# Altium PCB 一体机V1.PcbDoc (part 2 of 5)
Units mil, origin at the board's own origin, x right, y up, seen from the top; angles counter-clockwise.
Board outline 4013.53 x 6321.59 mil, 6 copper layers (Top Layer, GND, VCC, Mid-Layer 1, GND (Plane2), Bottom Layer); 349 components, 402 nets, 1592 pads, 708 vias.
Unrouted connection lines stored in the file: 4.
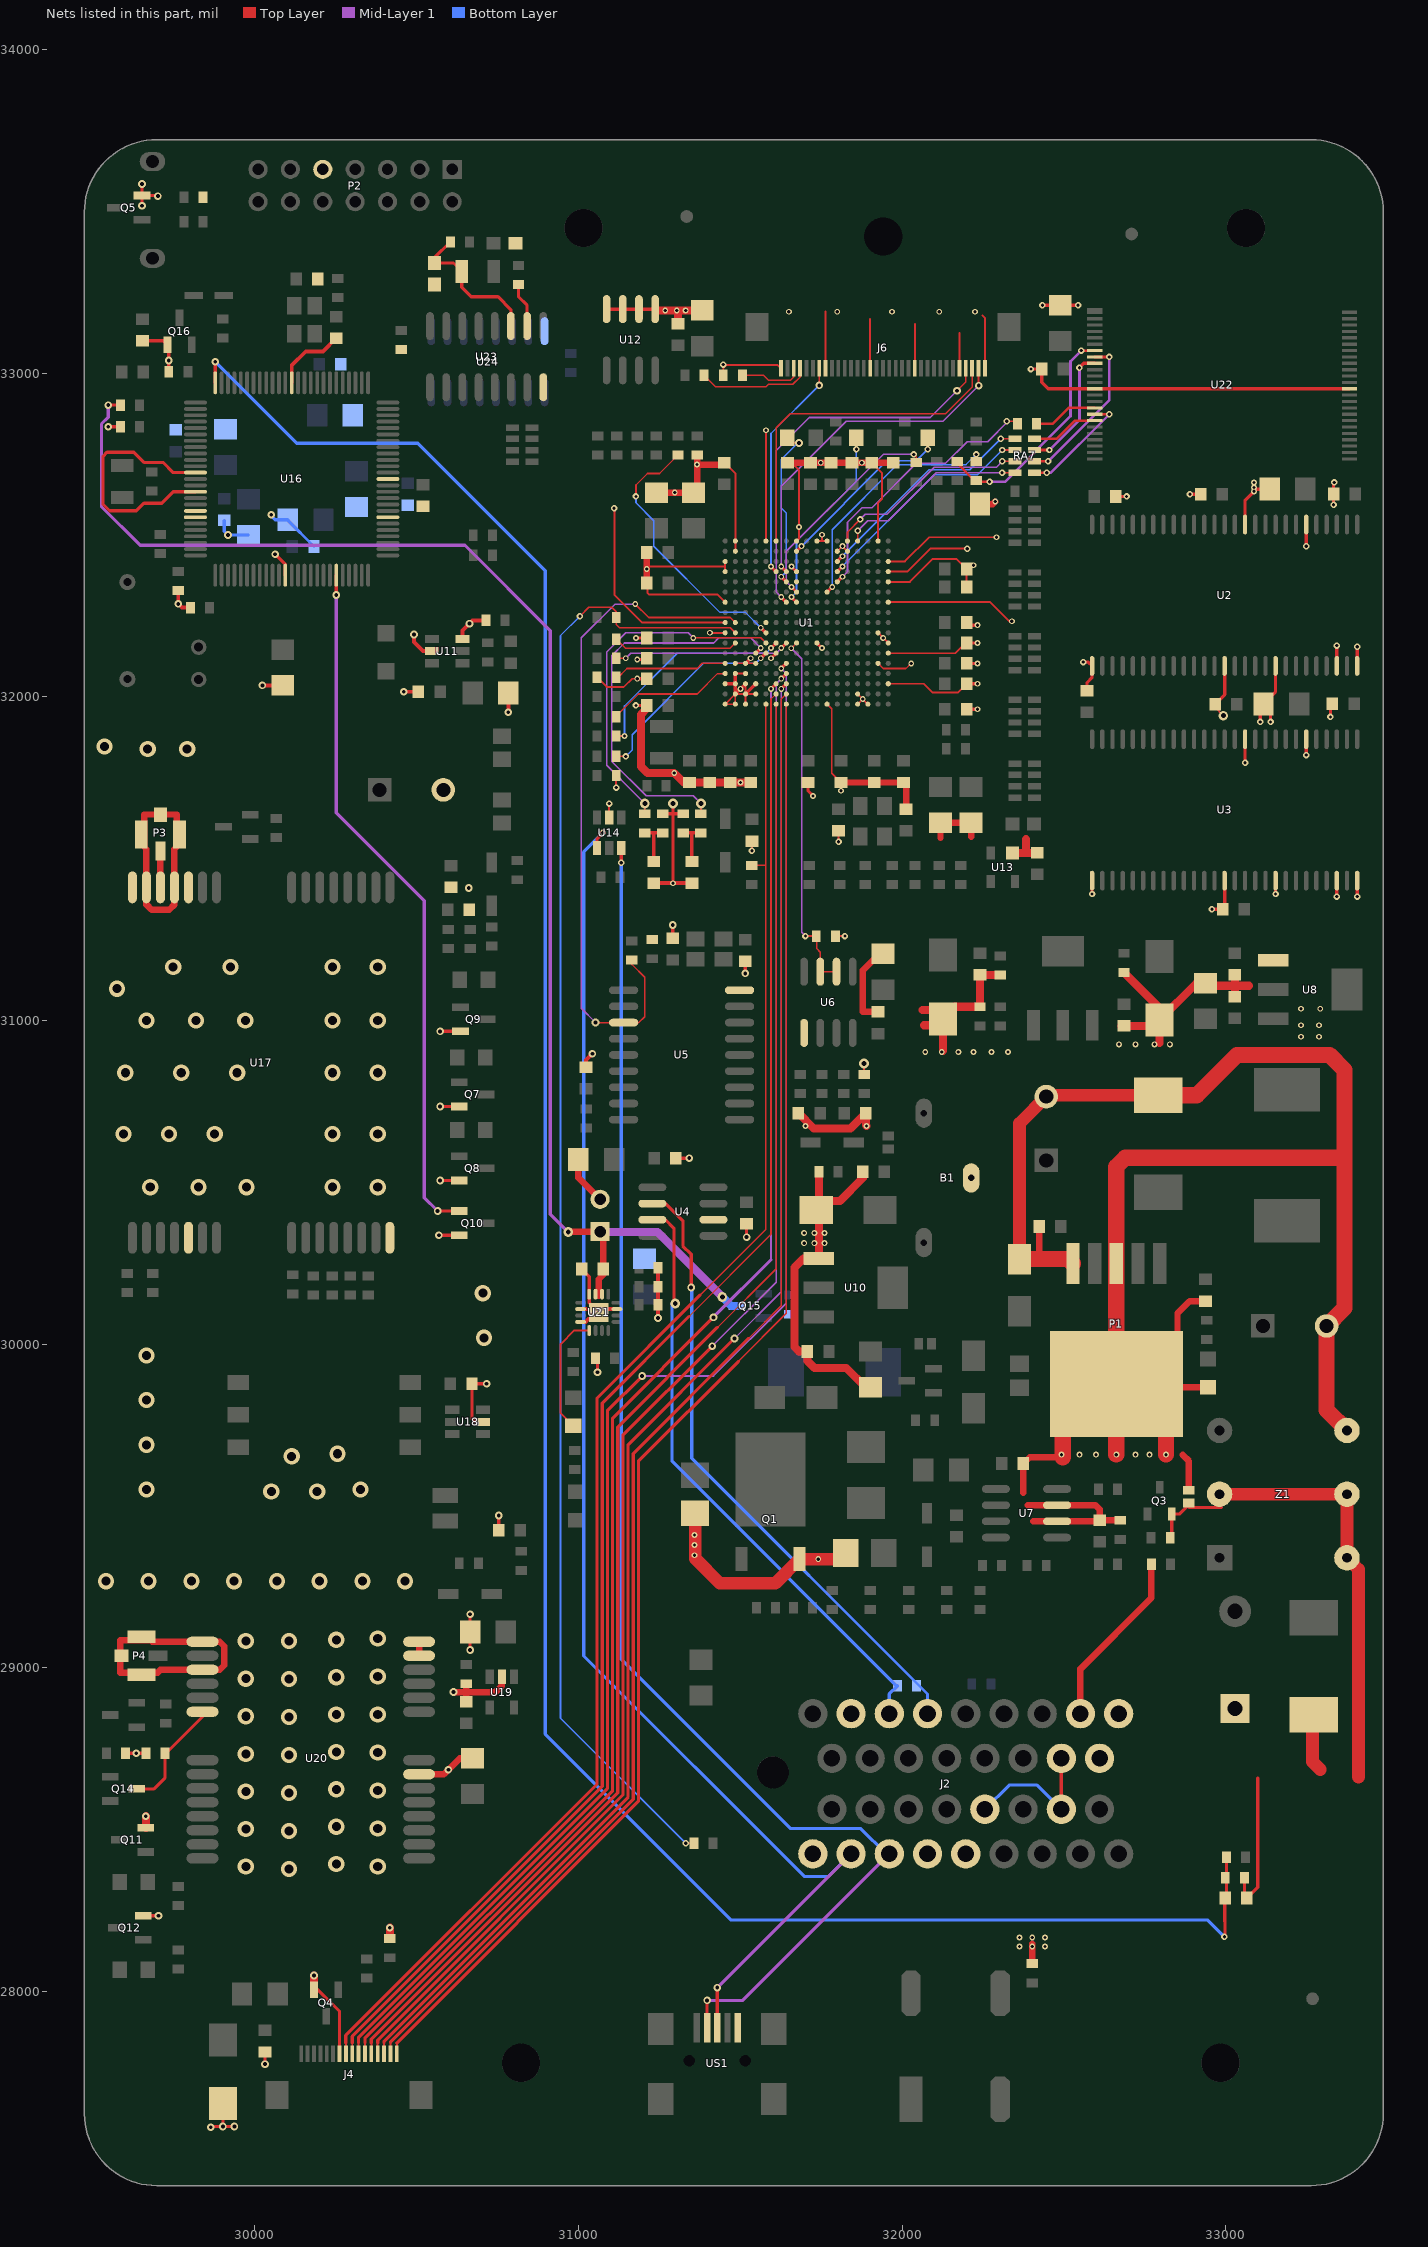
[diagram p6: the nets of this part, all layers, seen from the top]

## Part data
B1: "电池座"
B2 B3 B4 HL1: library part LED, "发光管"
BT1: "插针 Multicell Battery"
C2 C3 C4 C5 C6 C7 C8 C9 C10 C11 C12 C13 C14 C15 C16 C17 C18 C19 C20 C21 C22 C23 C24 C25 C26 C28 C29 C30 C31 C32 C34 C35 C36 C37 C38 C39 C40 C41 C43 C44 C45 C46 C47 C48 C49 C50 C51 C52 C53 C54 C55 C56 C57 C58 C59 C62 C63 C64 C65 C66 C67 C68 C69 C70 C71 C72 C73 C74 C76 C78 C79 C80 C81 C82 C83 C84 C86 C89 C91 C92: library part CAP, "Capacitor"
C60 C61 C87 C90: library part CAP, "多层陶瓷电容器MLCC - SMD/SMT 0603 0.1uF 50volts X7R 10%"
CP1 CP2 CP3 CP4 CP5 CP6 CP7 CP8 CP9 CP10 CP11 CP12 CP13 CP14 CP17 CP18 CP19 CP20 CP21 CP22 CP23 CP24 CP25 CP27 CP28: library part CAPACITOR, "Tantalum Capacitor"
CP15 CP16: library part CAPACITOR, "钽质电容器-固体SMD 16volts 10uF 10%"
CT1 CT2: library part CAPACITOR, "独石电容"
CV1 CV2: library part ELECTRO1, "aluminum electrolytic capacitor"
CV3: library part ELECTRO1, "插针 铝质电解电容器 - 带引线 1200uF 10V"
D1 D3 D8 D13 D16: library part DIODE, "DIODE"
D2: library part 10BQ060, "肖特基二极管"
D4: library part "D Schottky", "肖特基二极管"
D5 D6: library part 30BQ040, "TVS"
D7: library part DIODE, "Diode"
D9: library part 1N4148W, "二极管 - 通用，功率，开关 100V Io/150mA"
D10 D11 D12 D14 D15 D17 D18: "Typical RED, GREEN, YELLOW, AMBER GaAs LED"
D19: library part "D Schottky", "肖特基二极管与整流器 3.0 Amp 60 Volt"
FU1: library part "Fuse 2", "FUSE"
J1: library part CON2, "CON"
J2: library part 6-174683-5, "CON"
J4: library part 16PIN, "CON"
J5: library part SIMCARD, "CON"
J6: library part "HEADER 33", "CON"
L1: library part Inductor, "SUMIDA 车载电感"
L2: library part Inductor, "固定电感器 10uH 430mA"
L3: library part Inductor, "Inductor"
LR1 LR3: library part "Res Semi", "电磁干扰滤波珠子、扼流圈和阵列 Ferrite Chip Beads"
LR4: library part "Res Semi", "Semiconductor Resistor"
M1 M2 M3: library part D-001-0001, "Mounting Hole, M3 Screw, Plated, Square Pad"
NR1 NR2 R1 R2 R3 R4 R5 R6 R7 R8 R9 R10 R11 R12 R13 R14 R15 R16 R17 R18 R19 R20 R21 R22 R23 R24 R25 R26 R29 R30 R31 R32 R33 R34 R35 R36 R37 R38 R39 R40 R41 R42 R43 R44 R45 R46 R47 R49 R50 R51 R52 R53 R54 R55 R56 R57 R58 R59 R60 R61 R62 R63 R64 R65 R66 R67 R68 R69 R71 R74 R75 R77 R78 R79 R80 R81 R82 R83 R84 R85 R86 R87 R88 R89 R90 R91 R92 R93 R94 R95 R96 R97 R98 R99 R100 R101 R102 R103 R104 R105 R106 R107 R108 R110 R111 R112 R113 R114 R115 R116 R117 R120 RD6 RD7 RK3 RT2: library part RES, "RES"
P1: library part LM2596SX-12, "POWER"
P2: "Header, 7-Pin, Dual row"
P3 P4: "RF Coaxial PCB Connector, MMCX; Thru-Hole, Vertical Mount Plug,  50 Ohm Impedance"
Q1: library part BSN254, "NMOS"
Q2: library part BSH205, "P-channel Enhancement Mode MOSFET"
Q4 Q5: library part 2N7002, "NMOS"
Q6 Q15: library part IRLML5103, "MOSFET P-CH -30V -4.3A SOT23"
Q7 Q8 Q9 Q10 Q11 Q12: "NPN Resistor-equipped Transistor"
Q13 Q14: "三极管"
Q16: "NPN General Purpose Amplifier"
R27: library part RES, "薄膜电阻器 - SMD 453Kohms .1% 25ppm"
R28 R73 R76 R109 R118 R119: library part RES, "厚膜电阻器 - SMD 1/10watt 100Kohms 1%"
R70: library part RES, "厚膜电阻器 - SMD 1/10watt 10Kohms 1%"
R72: library part RES, "厚膜电阻器 - SMD 1/10watt 1.0Mohms 1%"
RA1 RA2 RA3 RA4 RA5 RA6 RA7: library part RP4R, "RESA"
RF1 RF3: library part FUSE1, "FUSE"
RF2: library part FUSE1, "保险"
RT1: library part Res3, "电阻"
RV1 RV2 RV3: library part "Res Varistor", "压敏电阻"
S1: library part "Header 2", "插针 工业级震动传感器"
S2: library part "Header 2", "插针 光敏传感器"
U1 U4 U5 U7 U13: "IC"
U2 U3: library part K4S561632C, "IC"
U6: library part MAX485, "IC"
U8 U10: library part LM1117MPX-3.3/NOPB, "800mA Low-Dropout Linear Regulator, 4-pin SOT-223, Pb-Free"
U9: library part LM1117MPX-ADJ/NOPB, "800mA Low-Dropout Linear Regulator, 4-pin SOT-223, Pb-Free"
U11: library part LTC3405A, "IC REG BUCK SYNC ADJ TSOT23-6"
U12: library part 24C02CT/SN, "IC"
U14 U18: "ESD"
U15: "BUZ"
U16: library part MSP430F5438, "处理器"
U17: "GSM模块"
U19: library part LT1761, "电源管理"
U20: "GPS模块"
U22: library part K9F2808, "IC"
U23 U24: library part CD4060BCM, "14-Stage Ripple Carry Binary Counter"
US1: library part D-300-0034, "USB On-The-Go (OTG) Mini-B Receptacle, Right Angle, SMT, 0.80mm (.031\") Pitch, Solder Tabs with Back Cover, Recessed Type"
Y1 Y2 Y3 Y4 Y5 Y6: library part XTAL, "Crystal Oscillator"
Z1: library part CXDB, "Filter"

## Free pads (board coordinates)
  round 118.11 hole 118.11 unplated mask+47.24: 1(30822.83,27779.53) 1(31015.75,33448.82) 1(32984.25,27779.53) 1(33062.99,33448.82)
  round 39.37 hole 118.11 slot 905.51 at 0 deg: 1(31941.65,33422.44)

## Via types
v1: diameter 18, hole 10, Top Layer to Bottom Layer, tented top, 254 vias
v2: diameter 20, hole 10, Top Layer to Bottom Layer, tented top, 136 vias
v3: diameter 23.62, hole 11.81, Top Layer to Bottom Layer, 111 vias
v4: diameter 50, hole 28, Top Layer to Bottom Layer, 77 vias
v5: diameter 19.68, hole 10, Top Layer to Bottom Layer, tented top, 63 vias
v6: diameter 23.62, hole 11.81, Top Layer to Bottom Layer, tented top, 31 vias
v7: diameter 30, hole 15, Top Layer to Bottom Layer, tented top, 18 vias
v8: diameter 30, hole 15, Top Layer to Bottom Layer, 17 vias
v9: diameter 39.37, hole 19.68, Top Layer to Bottom Layer, tented top, 1 vias

## Nets (pads, with @x,y where several pads share a name; then routed paths per layer and width w, separated by ;. In a path a pad name is that pad's centre, name@x,y a point inside that pad or via, vN(x,y) a via of type N, cw(c..) or ccw(c..) an arc to the next point about the centre after c; other vN are vias at no path point)
10: R119.1 U23.10 | length 139
  Top Layer w10: R119.1@30814.96,33273.62 30814.96,33236.22 30841.54,33209.65 U23.10@30841.54,33145.67
11: C92.1 R120.1 U23.11 Y6.1 | length 461.2
  Top Layer w10: R120.1@30604.33,33405.51 30555.12,33356.3 C92.1@30555.12,33340.55 30614.17,33340.55 Y6.1@30639.76,33314.96 30639.76,33265.75 30669.29,33236.22 30751.97,33236.22 30791.54,33196.65 U23.11@30791.54,33145.67
ACC: J2.27 R53.1 | length 552.6
  Top Layer w20: J2.27@32551.18,28858.27 32551.18,28996.53 32770.39,29215.75 R53.1@32770.39,29320.08
ACC24: C65.1 R49.1 R50.2 U16.100 | length 7550
  Top Layer w10: U16.100@29877.95,32970.47 v3(29877.95,33035.43) ; 32996.77,28216.54 32996.77,28286.61 C65.1@32998.74,28288.58 33002.68,28292.52 R49.1@33002.68,28414.57 ; v2@32998.03,28171.26 32998.03,28216.54
  Bottom Layer w10: v3(29877.95,33035.43) 30129.92,32783.46 30503.94,32783.46 30897.64,32389.76 30897.64,28795.28 31472.44,28220.47 32944.88,28220.47 v2(32996.06,28169.29)
AMP_2_VCC24: FU1.1 J2.26
AMP_20_DP0: C84.1 J2.6 R99.2 R100.1 | length 157.6
  Top Layer w10: R99.2@31205.43,31579.92 R100.1@31260.55,31579.92 ; C84.1@31232.99,31491.34 31232.99,31579.92
  Bottom Layer w10: J2.6@32064.88,28425.2 J2.6@32078.74,28425.2
AMP_21_DN0: C83.1 J2.5 R97.1 R98.2 | length 153.9
  Top Layer w10: R97.1@31323.54,31579.92 31350.39,31579.92 ; C83.1@31351.1,31491.34 31350.39,31492.05 31350.39,31579.92 ; R98.2@31378.66,31579.92 31350.39,31579.92
  Bottom Layer w10: J2.5@32186.93,28425.2 J2.5@32196.85,28425.2
AMP_29_DP1: J2.8 U14.4 US1.3 | length 4468
  Top Layer w10: U14.4@31057.8,31532.68 31057.8,31562.2 v2(31075.51,31579.92) ; US1.3@31429.13,27887.8 v3(31429.14,28011.81)
  Mid-Layer 1 w10: v3(31429.14,28011.81) J2.8@31842.52,28425.2
  Bottom Layer w10: v2(31075.51,31579.92) 31016.46,31520.87 31016.46,29036.61 31697.56,28355.51 31772.83,28355.51 J2.8@31842.52,28425.2
AMP_30_DN1: J2.7 U14.6 US1.2 | length 4418.3
  Top Layer w10: v2(31132.6,31487.4) U14.6@31132.6,31532.68 ; US1.2@31397.64,27887.8 v3(31397.64,27972.44)
  Mid-Layer 1 w10: v3(31397.64,27972.44) 31507.88,27972.44 J2.7@31960.63,28425.2
  Bottom Layer w10: v2(31132.6,31487.4) 31132.6,29026.77 31656,28503.37 31872.54,28503.37 31950.71,28425.2 J2.7@31960.63,28425.2
ANT: P3.1 U17.28 | length 112.2
  Top Layer w20: U17.28@29708.66,31411.42 P3.1@29708.66,31523.62
ANT_DET: Q14.3 R96.1 U20.20 | length 353.3
  Top Layer w10: Q14.3@29635.83,28625.98 29688.98,28625.98 29722.44,28659.45 29722.44,28732.28 29838.58,28848.42 U20.20@29838.58,28864.13
BACK: B4.2 U1.K2 | length 575.5
  Top Layer w6: v2@32079.25,32760.83 B4.2@32079.25,32800.39
  Top Layer w10: U1.K2@31673.94,32450 v1(31689.69,32465.75)
  Bottom Layer w6: v1(31689.69,32465.75) 31953.47,32729.53 32044.02,32729.53 v2(32079.45,32764.96)
BAT: BT1.1 C86.1 Q15.3 R103.1 U21.2 U21.3 | length 4617.1
  Top Layer w10: v3(29547.24,32901.57) R103.1@29584.65,32901.57
  Top Layer w20: v8(30968.44,30346.4) 30966.99,30346.4 30965.75,30347.64 BT1.1@31066.93,30347.64 31076.77,30337.8 C86.1@31076.77,30232.28 31076.77,30214.57 31062.99,30200.79 31062.99,30149.61
  Mid-Layer 1 w10: v3(29547.24,32901.57) 29547.24,32864.08 29526.43,32843.27 29526.43,32587.74 29645.67,32468.5 30649.61,32468.5 30913.39,32204.72 30913.39,30401.45 v8(30968.44,30346.4)
  Mid-Layer 1 w25: BT1.1@31066.93,30347.64 31068.11,30346.46 31244.09,30346.46 v8(31444.88,30145.67)
  Bottom Layer w25: v8(31444.88,30145.67) 31472.44,30118.11 Q15.3@31490.16,30118.11
BATOFF: U16.57
BOOT/EINT16/GPG8: R40.2 R42.2 U1.T10 | length 4549.2
  Top Layer w5: v2(31004.65,32249.21) 31032.21,32276.77 31103.07,32276.77 31116.85,32262.99 R40.2@31116.85,32245.27 31116.85,32223.62 31126.69,32213.78 31469.21,32213.78 U1.T10@31484.96,32198.03 ; v2(31331.42,28457.87) R42.2@31357.01,28457.87
  Bottom Layer w5: v2(31004.65,32249.21) 30944.88,32189.45 30944.88,28844.41 v2(31331.42,28457.87)
BREQ: B3.2 U1.L5 | length 490
  Top Layer w5: B3.2@31661.73,32784.64 v6(31681.81,32784.64)
  Top Layer w10: v1(31626.69,32371.26) U1.L5@31642.44,32355.51
  Bottom Layer w5: v1(31626.69,32371.26) 31642.44,32387.01 31642.44,32568.11 31626.69,32583.86 31626.69,32733.46 v6@31677.88,32784.64
BSL_RX: U16.19
BSL_TX: U16.18
C\H\G\: D18.2 U21.9 | length 374.6
  Top Layer w6: D18.2@30984.25,29747.83 30944.88,29787.2 30944.88,30000 30987.2,30042.32 U21.9@31033.46,30042.32
CAN_N: J2.31 R10.2 U4.6 | length 1942.3
  Top Layer w10: U4.6@31228.34,30434.45 31270.28,30434.45 31322.83,30381.89 31322.83,30303.15 31348.43,30277.56 v3(31348.43,30175.2)
  Bottom Layer w10: v3@31350.39,30165.35 31350.39,29647.56 32078.74,28919.21 J2.31@32078.74,28858.27
CAN_P: J2.32 R10.1 U4.7 | length 1881
  Top Layer w10: U4.7@31228.34,30384.45 31269.09,30384.45 31295.28,30358.27 31295.28,30129.92 v8(31299.21,30125.98)
  Bottom Layer w10: v8@31289.37,30125.98 31289.37,29637.72 31982.21,28944.88 R10.1@31986.22,28944.88 31960.63,28919.29 J2.32@31960.63,28858.27
DACK: B2.2 U1.K7 | length 595.4
  Top Layer w5: v2@31858.78,32761.22 B2.2@31858.78,32794.49
  Top Layer w10: v1(31658.19,32308.27) U1.K7@31673.94,32292.52
  Bottom Layer w5: v1(31658.19,32308.27) 31673.94,32324.01 31673.94,32481.5 31858.98,32666.53 v2(31858.98,32764.96)
DN0: R98.1 U1.P12 | length 1206.5
  Top Layer w5: R98.1@31378.66,31638.98 v7(31378.66,31670.47)
  Top Layer w10: U1.P12@31547.95,32135.04 v1(31563.7,32150.79)
  Mid-Layer 1 w5: v7(31378.66,31670.47) 31355.04,31694.09 31209.37,31694.09 31103.07,31800.39 31103.07,32127.16 31142.44,32166.53 31418.03,32166.53 31433.78,32182.28 31532.21,32182.28 v1(31563.7,32150.79)
DN1/PDN0: R58.1 U1.N12 | length 622.4
  Top Layer w5: R58.1@31116.85,31816.14 v5(31146.38,31816.14)
  Top Layer w10: v1(31563.7,32119.29) U1.N12@31579.45,32135.04
  Bottom Layer w5: v5(31146.38,31816.14) 31166.06,31835.83 31166.06,31883.07 31386.54,32103.54 31547.95,32103.54 v1(31563.7,32119.29)
DP0: R99.1 U1.N11 | length 1114.7
  Top Layer w5: R99.1@31205.43,31638.98 v7(31205.43,31670.47) ; v1(31355.04,32182.28) 31563.7,32182.28 U1.N11@31579.45,32166.53
  Mid-Layer 1 w5: 31154.25,31721.65 v7(31205.43,31670.47) ; 31179.84,31696.06 31087.32,31788.58 31087.32,32138.98 31146.38,32198.03 31339.29,32198.03 v1(31355.04,32182.28)
DP1/PDP0: R60.1 U1.U14 | length 394
  Top Layer w5: R60.1@31114.88,31938.19 31185.75,32009.05 31366.85,32009.05 31429.84,32072.05 U1.U14@31453.46,32072.05
DPSH: J6.30 R114.2 | length 350.1
  Top Layer w5: R114.2@31388.51,32993.31 31423.94,32957.87 31579.45,32957.87 31587.32,32965.75 31662.13,32965.75 31685.04,32988.66 J6.30@31685.04,33014.76
DPSV: J6.31 R115.1 | length 195
  Top Layer w5: R115.1@31506.62,32993.31 31572.91,32993.31 31587.53,32978.68 31655.38,32978.68 31665.36,32988.66 J6.31@31665.36,33014.76
DREQ: U1.K5
DTR: U17.5
EGND: C65.2 D5.1 J2.9 J2.11 J2.13 J2.18 J2.19 J2.33 Q3.1 R50.1 R54.2 RT2.1 Z1.2 Z1.4 Z1.5 | length 2631
  Top Layer w10: J2.11@32492.13,28562.99 J2.19@32492.13,28720.47 ; R54.2@32825.51,29398.82 32833.39,29406.69 Q3.1@32833.39,29475.59 32858.27,29475.59 32886.54,29503.86 RT2.1@32886.54,29508.74 ; RT2.1@32886.54,29495.28 32986.93,29495.28 ; C65.2@33057.09,28295.74 C65.2@33057.8,28296.45 ; R50.1@33057.8,28351.57 C65.2@33057.8,28296.45 ; 33099.14,28658.66 33099.14,28322.05 C65.2@33065.67,28288.58 C65.2@33057.8,28296.45
  Top Layer w39.37: Z1.2@32981.03,29536.61 Z1.5@33374.73,29536.61 Z1.4@33374.73,29339.76 33410.16,29304.33 33410.16,28662.6 ; D5.1@33288.9,28859.53 33268.43,28839.06 33268.43,28709.84 33292.05,28686.22
  Bottom Layer w10: J2.13@32255.91,28562.99 32330.71,28637.8 32417.32,28637.8 J2.11@32492.13,28562.99
EINT0/GPF0: J4.8 R67.2 U1.N17 | length 4751.2
  Top Layer w5: 31375.51,30151.1 31579.45,30355.04 31579.45,31481.5 ; R67.2@31536.14,31479.53 31577.48,31479.53 31579.45,31481.5 ; U1.N17@31579.45,31977.56 31579.45,31481.5
  Top Layer w6: J4.8@30281.5,27808.07 30281.5,27840.69
  Top Layer w10: 30281.5,27840.69 30281.5,27864.23 31057.54,28640.27 31057.54,29833.13 31375.51,30151.1
EINT1/GPF1: J4.9 U1.M16 | length 4743.5
  Top Layer w5: 31341.53,30085.62 31595.2,30339.29 31595.2,31993.31 U1.M16@31610.95,32009.05
  Top Layer w5.91: J4.9@30301.18,27808.07 30301.18,27840.69
  Top Layer w10: 30301.18,27840.69 30301.18,27861.28 31073.54,28633.65 31073.54,29817.64 31341.53,30085.62
EINT2/GPF2: J4.10 U1.L13 | length 4985.1
  Top Layer w5.91: J4.10@30320.87,27808.07 30320.87,27840.69
  Top Layer w10: 30320.87,27840.69 30320.87,27858.34 31089.54,28627.02 31089.54,29794.27 v3(31196.85,29901.57) ; v1(31626.69,32087.79) U1.L13@31642.44,32103.54
  Mid-Layer 1 w5: v3(31196.85,29901.57) 31417.32,29901.57 31642.44,30126.69 31642.44,32072.05 v1(31626.69,32087.79)
EINT3/GPF3: J4.11 U1.M15 | length 4758.7
  Top Layer w5.91: J4.11@30340.55,27808.07 30340.55,27840.69
  Top Layer w10: 30340.55,27840.69 30340.55,27855.4 31105.54,28620.39 31105.54,29770.9 v3(31417.32,30082.68) ; v1(31595.2,32024.8) U1.M15@31610.95,32040.55
  Mid-Layer 1 w5: 31595.2,30260.55 v1(31595.2,32024.8)
  Mid-Layer 1 w10: v3(31417.32,30082.68) 31595.2,30260.55
EINT4/GPF4: J4.12 U1.M17 | length 4687.5
  Top Layer w5: 31429.63,30051.68 31610.95,30232.99 U1.M17@31610.95,31977.56
  Top Layer w5.91: J4.12@30360.24,27808.07 30360.24,27840.69
  Top Layer w10: 30360.24,27840.69 30360.24,27852.46 31121.54,28613.76 31121.54,29743.59 31429.63,30051.68
EINT5/GPF5: J4.13 U1.L14 | length 4786.9
  Top Layer w5.91: J4.13@30379.92,27808.07 30379.92,27840.69
  Top Layer w10: 30379.92,27840.69 30379.92,27849.51 31137.54,28607.14 31137.54,29718.27 v3(31413.39,29994.12) ; v1(31626.69,32056.3) U1.L14@31642.44,32072.05
  Mid-Layer 1 w5: v3(31413.39,29994.12) 31610.95,30191.68 31610.95,32040.55 v1(31626.69,32056.3)
EINT6/GPF6: J4.14 U1.L15 | length 4747.3
  Top Layer w5.91: J4.14@30399.61,27808.07 30399.61,27840.69
  Top Layer w10: 30399.61,27840.69 30399.61,27846.57 31153.54,28600.51 31153.54,29688.98 v3(31482.28,30017.72) ; v1(31626.69,32024.8) U1.L15@31642.44,32040.55
  Mid-Layer 1 w5: v3(31482.28,30017.72) 31626.69,30162.13 v1(31626.69,32024.8)
EINT7/GPF7: J4.15 U1.L16 | length 4707.6
  Top Layer w5: 31525.59,30017.72 31626.69,30118.82 31626.69,31993.31 U1.L16@31642.44,32009.05
  Top Layer w5.91: J4.15@30419.29,27808.07 30419.29,27840.69
  Top Layer w10: 30419.29,27840.69 30419.29,27843.63 31169.54,28593.88 31169.54,29661.67 31525.59,30017.72
EINT8/GPG0: U1.N9
EINT9/GPG1: R9.2 U1.T9 U5.12 | length 2101.1
  Top Layer w5: v3(31052.76,30993.7) U5.12@31139.76,30993.7 31186.61,30993.7 31204.72,31011.81 31204.72,31133.86 31165.35,31173.23 R9.2@31165.35,31187.01 ; v1(31175.91,32286.61) 31217.25,32245.27 31469.21,32245.27 U1.T9@31484.96,32229.53
  Mid-Layer 1 w5: v3(31052.76,30993.7) 31008.58,31037.87 31008.58,32182.28 31112.91,32286.61 v1(31175.91,32286.61)
EINT17/GPG9: R61.2 U1.M11 | length 667.5
  Top Layer w5: R61.2@31116.85,31879.13 v5(31142.44,31879.13)
  Top Layer w10: v1(31595.2,32150.79) U1.M11@31610.95,32166.53
  Bottom Layer w5: v5(31142.44,31879.13) 31142.44,31971.92 31305.56,32135.04 31579.45,32135.04 v1(31595.2,32150.79)
EINT18/GPG10: NR1.2 U1.N10 | length 837.4
  Top Layer w5: v2(31177.88,32619.29) 31177.88,32654.72 31213.31,32690.16 31250.71,32690.16 NR1.2@31307.8,32747.24
  Top Layer w10: v1(31563.7,32213.78) U1.N10@31579.45,32198.03
  Bottom Layer w5: v2(31177.88,32619.29) 31177.88,32599.61 31232.99,32544.49 31232.99,32465.75 31437.72,32261.02 31516.46,32261.02 v1(31563.7,32213.78)
EMERG_OFF: U17.15
FALE: RA7.1 U22.17 | length 351.8
  Top Layer w8: RA7.1@32408.66,32692.77 v2(32446.91,32692.77) ; U22.17@32595.2,32873.23 v2(32640.47,32873.23)
  Mid-Layer 1 w8: v2(32446.91,32692.77) 32460.02,32692.77 v2(32640.47,32873.23)
FCLE: R112.1 U22.16 | length 199.5
  Top Layer w8: R112.1@32416.06,32843.7 32465.28,32843.7 32514.49,32892.91 U22.16@32595.2,32892.91
FLALE: RA7.8 U1.D1 | length 591.7
  Top Layer w5: U1.D1@31862.91,32481.5 v2(31862.91,32512.99) ; v2(32309.12,32692.77) RA7.8@32348.66,32692.77
  Mid-Layer 1 w5: v2(31862.91,32512.99) 31894.41,32544.49 31957.4,32544.49 32105.69,32692.77 v2(32309.12,32692.77)
FLCLE: R112.2 U1.F5 | length 855.9
  Top Layer w5: v2@32327.48,32851.57 R112.2@32360.95,32851.57
  Top Layer w10: U1.F5@31799.92,32355.51 v1(31815.67,32371.26)
  Mid-Layer 1 w5: v1(31815.67,32371.26) 31831.42,32387.01 31831.42,32539.57 31875.71,32583.86 31906.22,32583.86 32044.02,32721.65 32134.57,32721.65 32201.5,32788.58 32264.49,32788.58 v2@32327.48,32851.57
  other v2: 32323.54,32851.57
FLNFCE: RA7.6 U1.F4 | length 704.4
  Top Layer w5: v2(32309.55,32762.77) RA7.6@32348.66,32762.77
  Top Layer w10: U1.F4@31799.92,32387.01 v1(31815.67,32402.76)
  Bottom Layer w5: v1(31815.67,32402.76) 32099.13,32686.22 32232.99,32686.22 v2(32309.55,32762.77)
FLNFRE: RA7.7 U1.E1 | length 635.4
  Top Layer w5: U1.E1@31831.42,32481.5 31831.42,32509.05 v2(31870.79,32548.42) ; v2(32309.98,32727.77) RA7.7@32348.66,32727.77
  Mid-Layer 1 w5: v2(31870.79,32548.42) 31886.54,32564.17 31953.47,32564.17 32099.14,32709.84 32292.05,32709.84 v2(32309.98,32727.77)
FLNFWE: RA7.5 U1.F3 | length 705.8
  Top Layer w5: v2(32305.18,32797.77) RA7.5@32348.66,32797.77
  Top Layer w10: U1.F3@31799.92,32418.5 v1(31815.67,32434.25)
  Bottom Layer w5: v1(31815.67,32434.25) 32083.39,32701.97 32209.37,32701.97 v2(32305.18,32797.77)
FLRNB: R113.2 U1.G6 | length 769.8
  Top Layer w5: R113.2@32229.06,32723.62 v2(32229.06,32749.21)
  Top Layer w10: U1.G6@31768.43,32324.02 v1(31784.17,32339.76)
  Mid-Layer 1 w5: v2(32229.06,32749.21) v2@32229.06,32753.15
  Bottom Layer w5: v1(31784.17,32339.76) 31784.17,32516.42 31985.47,32717.72 32197.56,32717.72 v2(32229.06,32749.21)
FNFCE: RA7.3 U22.9 | length 392.1
  Top Layer w8: RA7.3@32408.66,32762.77 v2(32455.22,32762.77)
  Top Layer w10: v2(32547.95,33016.93) 32561.74,33030.71 U22.9@32595.2,33030.71
  Mid-Layer 1 w8: v2(32455.22,32762.77) 32547.95,32855.51
  Mid-Layer 1 w10: 32547.95,32855.51 v2(32547.95,33016.93)
FNFRE: RA7.2 U22.8 | length 488.9
  Top Layer w8: RA7.2@32408.66,32727.77 v2(32451.28,32727.77)
  Top Layer w10: U22.8@32595.2,33050.39 v2(32640.47,33050.39)
  Mid-Layer 1 w8: v2(32451.28,32727.77) 32640.47,32916.97 v2(32640.47,33050.39)
FNFWE: RA7.4 U22.18 | length 209.6
  Top Layer w8: RA7.4@32408.66,32797.77 32478.41,32797.77 32534.18,32853.54 U22.18@32595.2,32853.54
FRNB: R110.2 R113.1 U22.7 | length 714.9
  Top Layer w8: R110.2@32170,32722.3 R113.1@32227.74,32664.57 ; R113.1@32229.06,32664.57 v2(32270.4,32664.57) ; v2(32553.86,33070.08) U22.7@32595.2,33070.08
  Mid-Layer 1 w8: v2(32270.4,32664.57) 32317.64,32664.57 32520.39,32867.32 32520.39,33036.61 v2(32553.86,33070.08)
GND: B1.2 BT1.2 C2.2 C3.2 C4.2 C5.2 C6.2 C7.2 C8.2 C9.2 C10.2 C11.2 C12.2 C13.2 C14.2 C15.2 C16.2 C17.2 C18.2 C19.2 C20.2 C21.2 C22.2 C23.2 C24.2 C25.2 C26.2 C28.2 C29.2 C30.2 C31.2 C32.2 C34.2 C35.2 C36.2 C37.2 C38.2 C39.2 C40.2 C41.2 C43.2 C44.2 C45.2 C46.2 C47.2 C48.2 C49.2 C50.2 C51.2 C52.1 C54.2 C55.2 C56.2 C57.2 C58.2 C59.2 C60.2 C62.2 C63.2 C64.2 C66.2 C67.2 C68.2 C69.2 C70.2 C71.2 C72.2 C73.2 C74.2 C76.2 C78.2 C79.2 C80.2 C81.2 C82.2 C83.2 C84.2 C86.2 C87.2 C89.2 C91.2 C92.2 CP1.2 CP2.2 CP3.2 CP4.2 CP5.2 CP6.2 CP7.2 CP8.2 CP9.2 CP10.2 CP11.2 CP12.2 CP13.2 CP14.2 CP15.2 CP16.2 CP17.2 CP18.2 CP19.2 CP20.2 CP21.2 CP22.2 CP23.2 CP24.2 CP25.2 CP27.2 CP28.2 CT1.2 CT2.2 CV1.2 CV2.2 CV3.2 D4.1 D6.1 HL1.2 J4.7 J6.1 J6.5 J6.12 J6.19 J6.26 J6.33 P1.3 P1.5 P1.6 P2.9 P3.2 P3.3 P3.4 P4.2 P4.3 P4.4 Q1.3 Q4.2 Q5.2 Q7.2 Q8.2 Q9.2 Q10.2 Q11.2 Q12.2 Q16.1 R5.2 R11.2 R16.2 R17.2 R20.1 R24.2 R26.2 R28.2 R33.1 R57.2 R66.2 R69.2 R72.1 R73.1 R88.2 R95.1 R96.2 R97.2 R100.2 R104.2 R105.2 R106.2 R107.2 R108.2 R109.1 R115.2 R117.1 R118.2 RT2.2 RV1.1 RV2.1 RV3.1 U1.A3 U1.A4 U1.A5 U1.A7 U1.A11 U1.A12 U1.A15 U1.B1 U1.B10 U1.B13 U1.C17 U1.D16 U1.D17 U1.E2 U1.F2 U1.G1 U1.G17 U1.H1 U1.H11 U1.K1 U1.M12 U1.N1 U1.P13 U1.P15 U1.P16 U1.R13 U1.R14 U1.R15 U1.R16 U1.R17 U1.T1 U1.T2 U1.T13 U1.T14 U1.T15 U1.T16 U1.T17 U1.U3 U1.U4 U1.U7 U1.U9 U1.U10 U1.U15 U1.U17 U2.6 U2.12 U2.28 U2.41 U2.46 U2.52 U2.54 U3.6 U3.12 U3.28 U3.41 U3.46 U3.52 U3.54 U4.2 U5.9 U6.5 U7.6 U7.7 U8.1 U10.1 U11.2 U11.6 U12.1 U12.2 U12.3 U12.4 U13.1 U14.2 U16.12 U16.15 U16.37 U16.63 U16.88 U17.26 U17.27 U17.29 U17.30 U18.2 U19.2 U20.7 U20.13 U20.14 U20.15 U20.17 U21. U21.4 U21.6 U21.8 U21.15 U22.13 U22.36 U23.8 U24.8 US1.5 Z1.6 | length 29107.3
  Top Layer w5: 31087.32,32030.71 31140.47,32030.71 31166.06,32056.3 v1(31181.81,32056.3) ; U1.T13@31484.96,32103.54 U1.R13@31516.46,32103.54 U1.P13@31547.95,32103.54 ; U1.R17@31516.46,31977.56 U1.R16@31516.46,32009.05 ; U1.R15@31516.46,32040.55 U1.R16@31516.46,32009.05 ; v1(31532.21,32119.29) v1@31532.2,32123.23 ; U1.P16@31547.95,32009.05 U1.R16@31516.46,32009.05 ; U1.D17@31862.91,31977.56 v1(31878.66,31993.31) ; U1.D16@31862.91,32009.05 U1.C17@31894.41,31977.56 U1.C17@31894.41,31973.62 ; U1.B13@31925.91,32103.54 31941.65,32087.79 32012.01,32087.79 v1@32028.01,32103.8 ; U1.A12@31957.4,32135.04 32164.57,32135.04 C15.2@32198.82,32169.29 ; U1.T16@31484.96,32009.05 U1.T17@31484.96,31977.56 U1.U17@31453.46,31977.56 U1.T16@31484.96,32009.05 ; U1.T16@31484.96,32009.05 U1.R16@31516.46,32009.05
  Top Layer w6: R5.2@31057.8,32058.27 R5.2@31057.8,32060.24 31087.32,32030.71 ; U14.2@31091.26,31611.42 U14.2@31091.26,31638.98 ; U14.2@31095.2,31627.16 v2(31095.2,31670.47) ; v2@31111.42,32585.83 31111.42,32315.67 31197.56,32229.53 U1.U9@31453.46,32229.53 ; v2(31116.85,31719.68) R57.2@31116.85,31757.09 ; v1(31211.34,32394.88) 31219.22,32402.76 31453.46,32402.76 ; C31.2@31213.31,32339.76 31213.31,32322.05 31219.21,32316.14 31429.84,32316.14 U1.U7@31453.46,32292.52 ; v1(31406.22,32198.03) U1.U10@31453.46,32198.03 ; R115.2@31447.56,32993.31 31447.56,33014.96 ; v2(31447.56,33026.77) 31447.56,33014.96 ; C30.2@31450.43,32724.92 31484.96,32690.39 U1.T1@31484.96,32481.5 U1.T2@31484.96,32450 ; U1.U4@31453.46,32387.01 31453.46,32402.76 ; U1.U3@31453.46,32418.5 31453.46,32402.76 ; U1.T14@31484.96,32072.05 U1.R14@31516.46,32072.05 ; v2(31536.14,31524.8) C34.2@31536.14,31554.33 ; U1.N1@31579.45,32481.5 v1@31579.45,32824.01 ; J6.33@31625.99,33014.76 31615.95,33024.8 31457.4,33024.8 31447.56,33014.96 ; C28.2@31658.19,32723.62 31681.81,32700 31681.81,32489.37 U1.K1@31673.94,32481.5 ; U1.H1@31736.93,32481.5 31752.68,32481.5 ; v1(31752.68,32501.18) 31752.68,32481.5 ; J6.26@31763.78,33014.76 31763.78,33190.86 ; U1.G17@31768.43,31977.56 31782.87,31963.12 31782.87,31764.3 C7.2@31811.73,31735.43 ; U1.G1@31768.43,32481.5 31752.68,32481.5 ; R16.2@31794.02,31261.02 v2(31823.54,31261.02) ; U1.F2@31799.92,32450 v1(31815.67,32465.75) U1.E2@31831.42,32450 ; v2(31803.86,31552.36) C19.2@31803.86,31585.83 ; R17.2@31882.6,30833.86 v7(31882.6,30867.32) ; J6.19@31901.58,33014.76 31901.58,33167.24 ; C9.2@31906.22,32723.62 31937.72,32692.12 31937.72,32611.42 31925.91,32599.6 U1.B1@31925.91,32481.5 ; U1.B10@31925.91,32198.03 v1(31941.65,32182.28) U1.A11@31957.4,32166.53 ; U1.A15@31957.4,32040.55 31992.84,32040.55 32067.64,32040.55 32095.2,32012.99 32171.97,32012.99 C11.2@32199.53,32040.55 ; U1.A7@31957.4,32292.52 32272.36,32292.52 v1@32331.42,32233.46 ; U1.A5@31957.4,32355.51 32024.33,32355.51 32095.2,32426.38 32168.03,32426.38 C10.2@32199.53,32394.88 ; U1.A4@31957.4,32387.01 32016.46,32387.01 32087.32,32457.87 v5(32201.5,32457.87) ; U1.A3@31957.4,32418.5 32008.59,32418.5 32083.39,32493.31 v1(32292.05,32493.31) ; J6.12@32039.37,33014.76 32039.37,33151.49 ; J6.5@32177.17,33014.76 32177.17,33123.94 ; C18.2@32198.9,32324.53 C10.2@32198.9,32387.99 ; 32248.74,33178.35 32255.91,33171.18 J6.1@32255.91,33014.76 ; C37.2@32967.25,31963.78 C37.2@32967.25,31967.71 ; C37.2@32967.25,31977.56 C37.2@32967.25,31967.71 ; v7(32992.84,31942.12) C37.2@32967.25,31967.71
  Top Layer w10: v3(29547.24,32834.65) R108.2@29584.65,32834.65 ; 29583.86,29085.43 29588.62,29080.67 P4.4@29683.86,29080.67 ; R95.1@29600.39,28736.22 v3(29633.86,28736.22) R96.2@29663.39,28736.22 ; v3(29651.57,33517.72) Q5.2@29651.57,33549.21 ; v3(29651.57,33584.65) Q5.2@29651.57,33549.21 ; Q12.2@29655.51,28234.25 v3(29702.76,28234.25) ; v3@29706.69,33549.21 Q5.2@29651.57,33549.21 ; U16.15@29816.93,32633.86 29748.03,32633.86 29712.6,32598.43 29657.48,32598.43 29633.86,32574.8 29551.18,32574.8 29531.5,32594.49 29531.5,32744.09 29543.31,32755.91 29625.98,32755.91 29657.48,32724.41 29716.54,32724.41 29748.03,32692.91 U16.12@29816.93,32692.91 ; U20.15@29833.82,29085.43 U20.15@29838.58,29080.67 ; v3@29866.14,27582.68 v3(29901.57,27582.68) ; CP18.2@29901.57,27653.54 v3(29901.57,27582.68) ; v3(29937.01,27582.68) v3(29901.57,27582.68) ; v3(30031.5,27775.59) C67.2@30031.5,27812.99 ; v3@30047.25,32559.06 v3(30051.12,32562.93) ; v3(30062.99,32440.94) 30094.49,32409.45 U16.37@30094.49,32375.98 ; Q4.2@30183.07,28005.91 30194.88,28005.91 30261.81,27938.98 J4.7@30261.81,27808.07 ; v3(30568.9,30336.61) Q10.2@30631.89,30336.61 ; v3(30572.83,30505.91) Q8.2@30631.89,30505.91 ; v3(30572.83,30734.25) Q7.2@30631.89,30734.25 ; v3(30572.83,30966.54) Q9.2@30635.83,30966.54 ; v3(30665.35,29055.12) CP24.2@30665.35,29110.24 v3(30665.35,29165.35) ; U18.2@30704.72,29759.84 30681.1,29759.84 30671.26,29769.69 C81.2@30671.26,29877.95 v3(30716.54,29877.95) ; C86.2@31009.84,30232.28 31033.46,30208.66 U21.4@31033.46,30154.53 31033.46,30127.95 U21.@31062.99,30098.43 ; R104.2@31053.15,29956.69 31059.06,29950.79 v3(31059.06,29913.39) ; U12.4@31087.13,33198.03 U12.3@31137.13,33198.03 U12.2@31187.13,33198.03 U12.1@31237.13,33198.03 ; v2(31177.88,31973.62) 31201.5,31973.62 C22.2@31211.34,31963.78 ; v1(31177.88,32182.28) C32.2@31211.34,32182.28 ; v1(31181.81,32056.3) C3.2@31211.34,32056.3 ; v1(31181.81,32115.35) C25.2@31207.4,32115.35 ; R100.2@31260.55,31638.98 31292.05,31638.98 ; C47.2@31291.34,31253.94 v3(31291.34,31295.28) ; v1(31292.05,31424.41) 31292.05,31638.98 ; v7@31292.05,31666.54 31292.05,31638.98 ; C43.2@31301.18,30574.8 v3(31342.52,30574.8) ; R97.2@31323.54,31638.98 31292.05,31638.98 ; U1.U15@31453.46,32040.55 U1.T15@31484.96,32040.55 ; U1.T14@31484.96,32072.05 U1.T15@31484.96,32040.55 ; v3(31515.75,31145.67) C46.2@31515.75,31183.07 ; U1.R16@31516.46,32009.05 U1.P15@31547.95,32040.55 ; U1.R15@31516.46,32040.55 U1.T16@31484.96,32009.05 U1.T15@31484.96,32040.55 ; U1.R13@31516.46,32103.54 v1(31532.21,32119.29) ; v3(31519.68,30330.71) C45.2@31519.68,30372.05 ; v1(31595.2,32119.29) U1.M12@31610.95,32135.04 ; C2.2@31709.37,31735.43 31709.37,31709.84 v1(31725.12,31694.09) ; U1.H11@31736.93,32166.53 v1(31752.68,32150.79) ; C5.2@32199.53,32103.54 v1(32232.99,32103.54) ; C15.2@32199.53,32166.53 v1(32232.99,32166.53) ; C6.2@32206.77,32221.65 v1(32232.99,32221.65) ; v2(32398.35,33012.99) C89.2@32431.81,33012.99 32431.81,32971.65 32451.5,32951.97 U22.13@32595.2,32951.97 U22.36@33382.6,32951.97 ; v2@32429.84,33209.84 CP28.2@32488.9,33209.84 v2(32544.02,33209.84) ; U7.6@32479.06,29452.56 U7.6@32479.65,29451.97 ; v2(32559.77,32107.48) 32575.51,32107.48 U2.28@32587.33,32095.67 32587.33,32060.24 32571.58,32044.49 C40.2@32571.58,32018.9 ; v2(32587.32,31390.94) U3.28@32587.32,31432.28 ; C38.2@32660.16,32619.29 v2(32693.62,32619.29) ; v2(32889.41,32626.1) C36.2@32922.24,32626.1 ; v2(32957.4,31343.7) C41.2@32990.87,31343.7 32996.77,31349.6 U3.41@32996.77,31432.28 ; C37.2@32967.25,31977.56 32996.77,32007.09 U2.41@32996.77,32095.67 ; v2(33059.76,31796.46) U3.12@33059.76,31869.29 ; U2.12@33059.77,32532.68 33059.77,32607.48 33094.14,32641.85 CP5.2@33135.59,32641.85 ; v2(33107.01,31922.44) CP6.2@33107.01,31969.02 ; v2(33138.51,31922.44) 33138.51,31956.81 CP6.2@33116.65,31978.66 33154.25,32016.26 U2.46@33154.25,32095.67 ; v2(33154.25,31390.95) U3.46@33154.25,31432.28 ; v2(33248.74,31820.08) U3.6@33248.74,31869.29 ; v2(33248.74,32465.75) U2.6@33248.74,32532.68 ; v2(33323.54,31938.19) 33323.54,31972.36 C39.2@33329.84,31978.66 ; v2(33333.39,32593.7) C35.2@33333.39,32627.16 v2@33333.39,32660.63 ; v2(33343.23,31383.07) U3.52@33343.23,31432.28 ; U2.52@33343.23,32095.67 v2(33343.23,32158.66) ; v2(33406.22,31383.07) U3.54@33406.22,31432.28 ; U2.54@33406.22,32095.67 v2(33406.22,32154.72)
  Top Layer w12: C68.2@29653.54,33100.39 29718.5,33100.39 Q16.1@29730.32,33088.58 29734.25,33084.65 v3(29734.25,33039.37) R118.2@29734.25,33003.94 ; R72.1@29763.78,32328.74 v3(29763.78,32287.4) 29775.59,32275.59 R73.1@29801.18,32275.59 ; v3(30023.62,32035.43) CP16.2@30086.61,32035.43 ; U16.88@30114.17,32970.47 30114.17,33023.62 30157.48,33066.93 30210.63,33066.93 C76.2@30251.97,33108.27 ; v3(30460.63,32015.75) C60.2@30505.91,32015.75 ; v3(30492.13,32192.91) 30492.13,32169.29 30519.68,32141.73 U11.2@30547.24,32141.73 ; U11.6@30641.73,32179.13 30641.73,32204.72 v3(30663.39,32226.38) 30673.23,32236.22 R28.2@30714.57,32236.22 ; C87.2@30753.94,29425.2 v3(30753.94,29470.47) ; v3(30783.46,31952.76) CP15.2@30783.46,32011.81 ; U21.8@31006.89,30068.9 31021.65,30068.9 31031.18,30078.43 U21.@31042.99,30078.43 ; U21.6@31006.89,30108.27 31032.05,30108.27 31036.81,30103.5 31042.99,30103.5 U21.8@31048.07,30098.43 ; C44.2@31023.62,30856.3 31023.62,30877.95 v3(31043.31,30897.64) ; U21.@31062.99,30098.43 31072.83,30108.27 U21.15@31119.09,30108.27 ; C84.2@31232.99,31424.41 v1(31292.05,31424.41) C83.2@31351.1,31424.41 ; v3(31246.06,30080.71) R105.2@31246.06,30122.05 R107.2@31246.06,30177.17 R106.2@31246.06,30236.22 ; C16.2@32199.53,31961.81 v1(32232.99,31961.81) ; C11.2@32199.53,32040.55 v1(32232.99,32040.55)
  Top Layer w19.68: C28.2@31646.38,32723.62 31658.19,32723.62 C26.2@31717.25,32723.62 C29.2@31780.24,32723.62 C14.2@31845.43,32723.62 C9.2@31906.22,32723.62 C17.2@31973.15,32723.62
  Top Layer w20: P3.2@29658.66,31536.61 29658.66,31636.61 29758.66,31636.61 P3.4@29758.66,31536.61 ; 29665.35,31529.92 U17.29@29665.35,31411.42 29665.35,31358.27 29681.1,31342.52 29736.22,31342.52 29751.97,31358.27 U17.27@29751.97,31411.42 29751.97,31529.92 ; U20.7@30507.87,28671.22 30584.61,28671.22 v3(30598.43,28685.04) 30633.86,28720.47 CP25.2@30673.23,28720.47 ; U20.13@30507.87,29037.36 U20.14@30507.87,29080.67 ; v3@30618.11,28925.2 30744.09,28925.2 30763.78,28944.88 U19.2@30763.78,28972.44 ; C82.2@30653.54,28895.67 R88.2@30653.54,28950.79 ; CP7.2@31000,30570.87 31000,30514.57 BT1.2@31066.93,30447.64 ; C31.2@31211.34,32351.57 v1(31211.34,32394.88) C24.2@31211.34,32446.06 ; CP4.2@31240.87,32631.1 v1(31297.95,32631.1) CP3.2@31355.04,32631.1 31366.85,32642.91 v1(31366.85,32717.72) ; R33.1@31366.85,32747.24 v1(31366.85,32717.72) ; C30.2@31450.43,32724.92 31443.23,32717.72 v1(31366.85,32717.72) ; C7.2@31811.73,31735.43 C13.2@31914.1,31735.43 C8.2@32004.65,31735.43 32012.52,31727.56 C23.2@32012.52,31660.63 ; C50.2@31918.03,31026.77 31878.66,31026.77 31878.66,31105.6 31879.17,31106.11 31879.17,31155.24 CP8.2@31929.84,31205.9 ; 32118.82,31564.17 CP11.2@32118.82,31611.42 32209.37,31611.42 CP2.2@32213.31,31615.35 ; 32213.31,31568.11 CP2.2@32213.31,31611.42 ; CP1.2@32240.87,32595.67 32280.24,32595.67 v1(32288.11,32603.54) ; 32374.73,29540.55 C51.2@32374.73,29631.1 32394.41,29650.79 v1@32496.77,29650.79 ; 32387.91,29502.56 U7.7@32479.06,29502.56 32597.76,29502.56 32610.95,29489.37 C52.1@32610.95,29455.9 ; R24.2@32402.28,28085.83 v1@32402.28,28146.85 ; 32404.84,29452.56 U7.6@32479.06,29452.56 32607.6,29452.56 C52.1@32610.95,29455.9 ; 32423.94,30268.9 C64.2@32423.94,30363.38 ; P1.6@32662.13,29877.16 32703.47,29877.16 32851.1,30024.8 32851.1,30095.67 32888.51,30133.07 C63.2@32937.72,30133.07 ; P1.6@32672.17,29867.12 HL1.2@32945.59,29867.12 ; R20.1@32673.94,29455.9 C52.1@32610.95,29455.9 ; 32866.85,29658.66 32886.54,29638.98 RT2.2@32886.54,29562.2 ; 29583.86,28985.43 29700.04,28985.43 29708.66,28994.06 U20.17@29838.58,28994.06 29891.69,28994.06 29905.51,29007.87 29905.51,29066.93 29891.77,29080.67 U20.15@29838.58,29080.67 29683.86,29080.67 29679.09,29085.43 29583.86,29085.43 29583.86,28985.43
  Top Layer w25: Q11.2@29663.39,28505.91 v3(29663.39,28541.34) ; Q4.2@30183.07,28005.91 v3(30183.07,28049.21) ; R66.2@30417.32,28163.39 v3(30417.32,28196.85) ; C25.2@31207.4,32115.35 C25.2@31211.34,32119.29 ; C22.2@31211.34,31973.62 31211.34,31963.78 31193.62,31946.06 31193.62,31784.64 31213.31,31764.96 v1(31295.99,31764.96) 31325.51,31735.43 C12.2@31343.23,31735.43 C4.2@31532.21,31735.43 ; U12.1@31237.13,33198.03 31241.06,33194.09 v1@31307.8,33194.09 ; C62.2@31307.8,33152.75 v1@31307.8,33194.09 ; CP17.2@31382.6,33194.09 v1@31307.8,33194.09 ; C48.2@31679.84,30713.78 31727.09,30666.53 31841.26,30666.53 C49.2@31888.5,30713.78 31888.5,30676.38 v1(31890.47,30674.41) ; U10.1@31742.84,30264.96 31695,30264.96 31667.44,30237.4 31667.44,29991.93 31681.81,29977.56 C58.2@31707.4,29977.56 31707.4,29948.03 31729.06,29926.38 31827.48,29926.38 31886.54,29867.32 CP13.2@31902.28,29867.32 ; U10.1@31742.84,30272.83 31742.84,30414.57 CP14.2@31742.84,30422.44 ; RV3.1@31742.84,30532.68 CP14.2@31742.84,30422.44 ; C59.2@31878.66,30532.68 31878.66,30512.99 31807.8,30442.12 31762.52,30442.12 CP14.2@31742.84,30422.44 ; 32063.7,31032.68 CP12.2@32097.17,31032.68 ; 32067.64,30985.43 32095.2,30985.43 CP12.2@32119.8,31010.04 ; v1@32126.69,30906.69 CP12.2@32126.69,31005.12 32124.73,31005.12 CP12.2@32119.8,31010.04 ; CP12.2@32164.1,31042.52 R26.2@32236.93,31042.52 ; R26.2@32240.87,31046.46 C57.2@32240.87,31140.94 RV2.1@32295.99,31140.94 ; U13.1@32341.26,31517.91 32382.6,31517.91 ; 32382.6,31560.24 32382.6,31517.91 ; C66.2@32415.08,31517.91 32382.6,31517.91 ; C56.2@32677.88,30983.46 C56.2@32685.75,30983.46 CP10.2@32778.27,30983.46 ; RV1.1@32685.75,31148.82 32795.99,31038.58 CP10.2@32795.99,31001.18 ; 32795.99,30930.31 CP10.2@32795.99,31001.18 ; CP9.2@32910.16,31115.35 CP10.2@32795.99,31001.18 ; CP9.2@32937.72,31115.35 32945.59,31107.48 33028.27,31107.48 ; C54.2@33028.27,31074.01 33028.27,31107.48 ; C55.2@33028.27,31140.94 33028.27,31107.48 ; 33071.58,31107.48 33028.27,31107.48 ; U8.1@33130.63,31186.22 U8.1@33146.38,31186.22 ; CP12.2@32097.17,31032.68 CP12.2@32119.8,31010.04 ; CP12.2@32097.17,31032.68 32110.95,31032.68 32126.69,31016.93 CP12.2@32119.8,31010.04
  Top Layer w39.37: CT2.2@31360.95,29477.56 31360.95,29337.79 31437.72,29261.02 31608.19,29261.02 Q1.3@31682.99,29335.83 31805.83,29335.83 CT1.2@31825.51,29355.51 ; D6.1@32362.91,30262.99 32362.91,30682.28 32449.92,30769.29 D4.1@32792.05,30769.29
  Top Layer w50: D6.1@32362.91,30262.99 32514.49,30262.99 P1.5@32528.27,30249.21 ; v1@32496.77,29650.79 P1.6@32496.77,29772.83 ; P1.6@32601.1,29877.16 P1.6@32662.13,29877.16 ; v1(32662.13,29658.66) P1.6@32662.13,29877.16 ; D4.1@32792.05,30769.29 32910.55,30769.29 33035.08,30893.82 33320.67,30893.82 33366.85,30847.64 33366.85,30560.24 ; v1(32815.67,29658.66) 32815.67,29723.62 32672.17,29867.12 P1.6@32662.13,29877.16 ; Z1.6@33374.73,29733.46 33311.73,29796.46 CV1.2@33311.73,30056.3 33366.85,30111.42 33366.85,30560.24 ; P1.6@32662.13,29877.16 P1.3@32662.13,30249.21 32662.13,30548.43 32689.69,30575.98 33351.1,30575.98 33366.85,30560.24
  Mid-Layer 1 w10: v3(29864.17,27580.71) 29866.14,27582.68 v3(29901.57,27582.68) ; v2@33154.25,31387.01 v2(33154.25,31390.95)
  Bottom Layer w10: C72.2@29905.51,32545.28 29905.51,32511.81 v3(29917.32,32500) CP22.2@29980.32,32500 ; v3(30051.12,32562.93) 30051.12,32559.12 30062.99,32547.24 CP23.2@30102.36,32547.24 30102.36,32545.27 C74.2@30183.07,32464.57
  other v1: 32362.91,28138.98 32402.28,28138.98 32441.65,28138.98 32362.91,28166.53 32402.28,28166.53 32441.65,28166.53 31740.87,29335.83 31358.98,29347.64 31358.98,29379.13 31358.98,29410.63 32492.84,29658.66 32547.95,29658.66 32599.14,29658.66 32721.18,29658.66 32764.49,29658.66 31697.56,30312.2 31729.06,30312.2 31760.55,30312.2 31697.56,30343.7 31729.06,30343.7 31760.55,30343.7 31701.5,30674.41 32071.58,30902.75 32122.76,30902.75 32173.94,30902.75 32221.18,30902.75 32276.3,30902.75 32327.48,30902.75 32670,30926.38 32721.18,30926.38 32780.24,30926.38 32827.48,30926.38 33232.99,30950 33288.11,30950 33232.99,30985.43 33288.11,30985.43 33232.99,31036.61 33292.05,31036.61 31811.73,31709.84 31500.71,31735.43 31500.71,32024.8 32028.27,32103.54 32339.29,32233.46 32221.18,32406.69 31681.81,32524.8 33087.32,32635.04 33087.32,32646.85 33087.32,32662.6 31748.74,32723.62 31875.83,32723.62 31579.45,32824.01 31650.32,33190.16 31799.92,33190.16 31969.21,33190.16 32114.88,33190.16 32225.12,33190.16 31268.43,33194.09 31303.86,33194.09 31331.42,33194.09
  other v2: 31110.24,32582.68 33335.36,32662.6 32433.78,33209.84
  other v3: 30614.17,28925.2 30661.42,31409.45 29700.79,33547.24
  other v4: 30106.3,28377.95 29972.44,28385.83 30380,28385.83 30251.97,28393.7 30106.3,28495.41 29972.44,28501.97 30380,28503.28 30251.97,28509.19 30106.3,28612.86 29972.44,28618.11 30380,28620.73 30251.97,28624.67 30106.3,28730.31 29972.44,28734.25 30380,28738.19 30251.97,28740.16 30106.3,28847.77 29972.44,28850.39 30251.97,28855.64 30380,28855.64 30106.3,28965.22 29972.44,28966.54 30251.97,28971.13 30380,28973.1 29972.44,29082.68 30106.3,29082.68 30251.97,29086.61 30380,29090.55 29540,29267.72 29672.08,29267.72 29804.16,29267.72 29936.24,29267.72 30068.32,29267.72 30200.4,29267.72 30332.49,29267.72 30464.57,29267.72 30051.18,29545 30192.91,29545 29665.35,29551.18 30326.77,29551.18 30114.17,29653.54 30255.91,29661.42 29665.35,29689.12 29665.35,29827.06 29665.35,29965 30708.66,30019.69 30704.72,30157.48 29677.17,30485 29825.98,30485 29974.8,30485 30240,30485 30380,30485 29594.49,30649.61 29735.41,30649.61 29876.33,30649.61 30240,30649.61 30380,30649.61 29600,30838.58 29772.91,30838.58 29945.83,30838.58 30240,30838.58 30380,30838.58 29665.35,31000 29818.11,31000 29970.87,31000 30240,31000 30380,31000 29574.8,31098.43 29748.03,31165.35 29925.2,31165.35 30240,31165.35 30380,31165.35 29669.29,31838.58 29791.34,31838.58 29535.43,31846.46
  other v7: 31292.05,31670.47
GPB10/NAND: NR2.2 U1.K6 | length 685.5
  Top Layer w5: v2(32036.14,32749.21) 32044.02,32741.34 NR2.2@32044.02,32723.62
  Top Layer w10: v1(31658.19,32339.76) U1.K6@31673.94,32324.02
  Mid-Layer 1 w5: v1(31658.19,32339.76) 31642.44,32355.51 31642.44,32450 31941.65,32749.21 v2(32036.14,32749.21)
GPC1/VCLK: J6.2 U1.L4 | length 1062.6
  Top Layer w5: J6.2@32236.22,33014.76 32236.22,32962.52 v6(32236.93,32961.81)
  Top Layer w10: v1(31626.69,32402.76) U1.L4@31642.44,32387.01
  Mid-Layer 1 w5: v1(31626.69,32402.76) 31626.69,32650.79 31827.48,32851.57 ; 31827.28,32851.57 32126.5,32851.57 ; 32126.69,32851.57 v6(32236.93,32961.81)
GPC2/VLINE: J6.3 U1.M1 | length 1065.5
  Top Layer w5: U1.M1@31610.95,32481.5 31610.95,32831.89 31654.25,32875.2 32134.57,32875.2 32216.54,32957.16 J6.3@32216.54,33014.76
GPC3/VFRAME: J6.4 U1.L7 | length 1197.1
  Top Layer w5: v6(32170,32946.06) 32196.85,32972.91 J6.4@32196.85,33014.76
  Top Layer w10: v1(31626.69,32308.27) U1.L7@31642.44,32292.52
  Mid-Layer 1 w5: v1(31626.69,32308.27) 31610.95,32324.01 31610.95,32761.02 31713.31,32863.38 32087.32,32863.38 v6(32170,32946.06)
GPC4/VM: J6.27 U1.M4 | length 696
  Top Layer w5: v6(31744.1,32962.52) J6.27@31744.1,33014.76
  Top Layer w10: v1(31595.2,32402.76) U1.M4@31610.95,32387.01
  Bottom Layer w5: v1(31595.2,32402.76) 31595.2,32813.62 v6(31744.1,32962.52)
GPG5/485: U1.K4 | length 22.3
  Top Layer w10: v1(31658.19,32402.76) U1.K4@31673.94,32387.01
GPG13: R3.2 U1.T11 | length 386
  Top Layer w5: R3.2@31116.85,32178.35 31144.41,32150.79 31469.21,32150.79 U1.T11@31484.96,32166.53
GPG14: R4.2 U1.L11 | length 545.2
  Top Layer w5: R4.2@31116.85,32119.29 v1(31146.38,32119.29)
  Top Layer w10: v1(31626.69,32150.79) U1.L11@31642.44,32166.53
  Mid-Layer 1 w5: v1(31146.38,32119.29) 31162.13,32135.04 31610.95,32135.04 v1(31626.69,32150.79)
GPG15: R5.1 U1.U13 | length 352.8
  Top Layer w5: R5.1@31119.8,32057.28 31150.32,32087.79 31366.85,32087.79 31382.6,32103.54 U1.U13@31453.46,32103.54
GPH0: R16.1 U1.K11 U6.2 U6.3 | length 1130.6
  Top Layer w5: v1(31657.43,32150.02) U1.K11@31673.94,32166.53 ; v2(31701.5,31261.02) 31736.93,31261.02 31736.93,31221.65 31747.36,31211.22 U6.3@31747.36,31150.79 U6.2@31797.36,31150.79
  Mid-Layer 1 w5: v1(31657.43,32150.02) 31689.69,32117.76 31689.69,31272.83 v2(31701.5,31261.02)
GPH11: J4.16 U1.L17 | length 4668
  Top Layer w5: 31493.58,29946.33 31642.44,30095.2 U1.L17@31642.44,31977.56
  Top Layer w5.91: J4.16@30438.98,27808.07 30438.98,27840.69
  Top Layer w10: 30438.98,27840.69 31185.54,28587.25 31185.54,29638.3 31493.58,29946.33
GPRS_ON: Q10.1 U16.45 | length 2161.1
  Top Layer w10: v3(30251.97,32314.96) U16.45@30251.97,32375.98 ; v3(30564.96,30411.42) Q10.1@30631.89,30411.42
  Mid-Layer 1 w10: v3(30251.97,32314.96) 30251.97,31641.73 30523.62,31370.08 30523.62,30452.75 v3(30564.96,30411.42)